# Altium PCB ISS_PCB.PcbDoc (part 1 of 4) (continued)
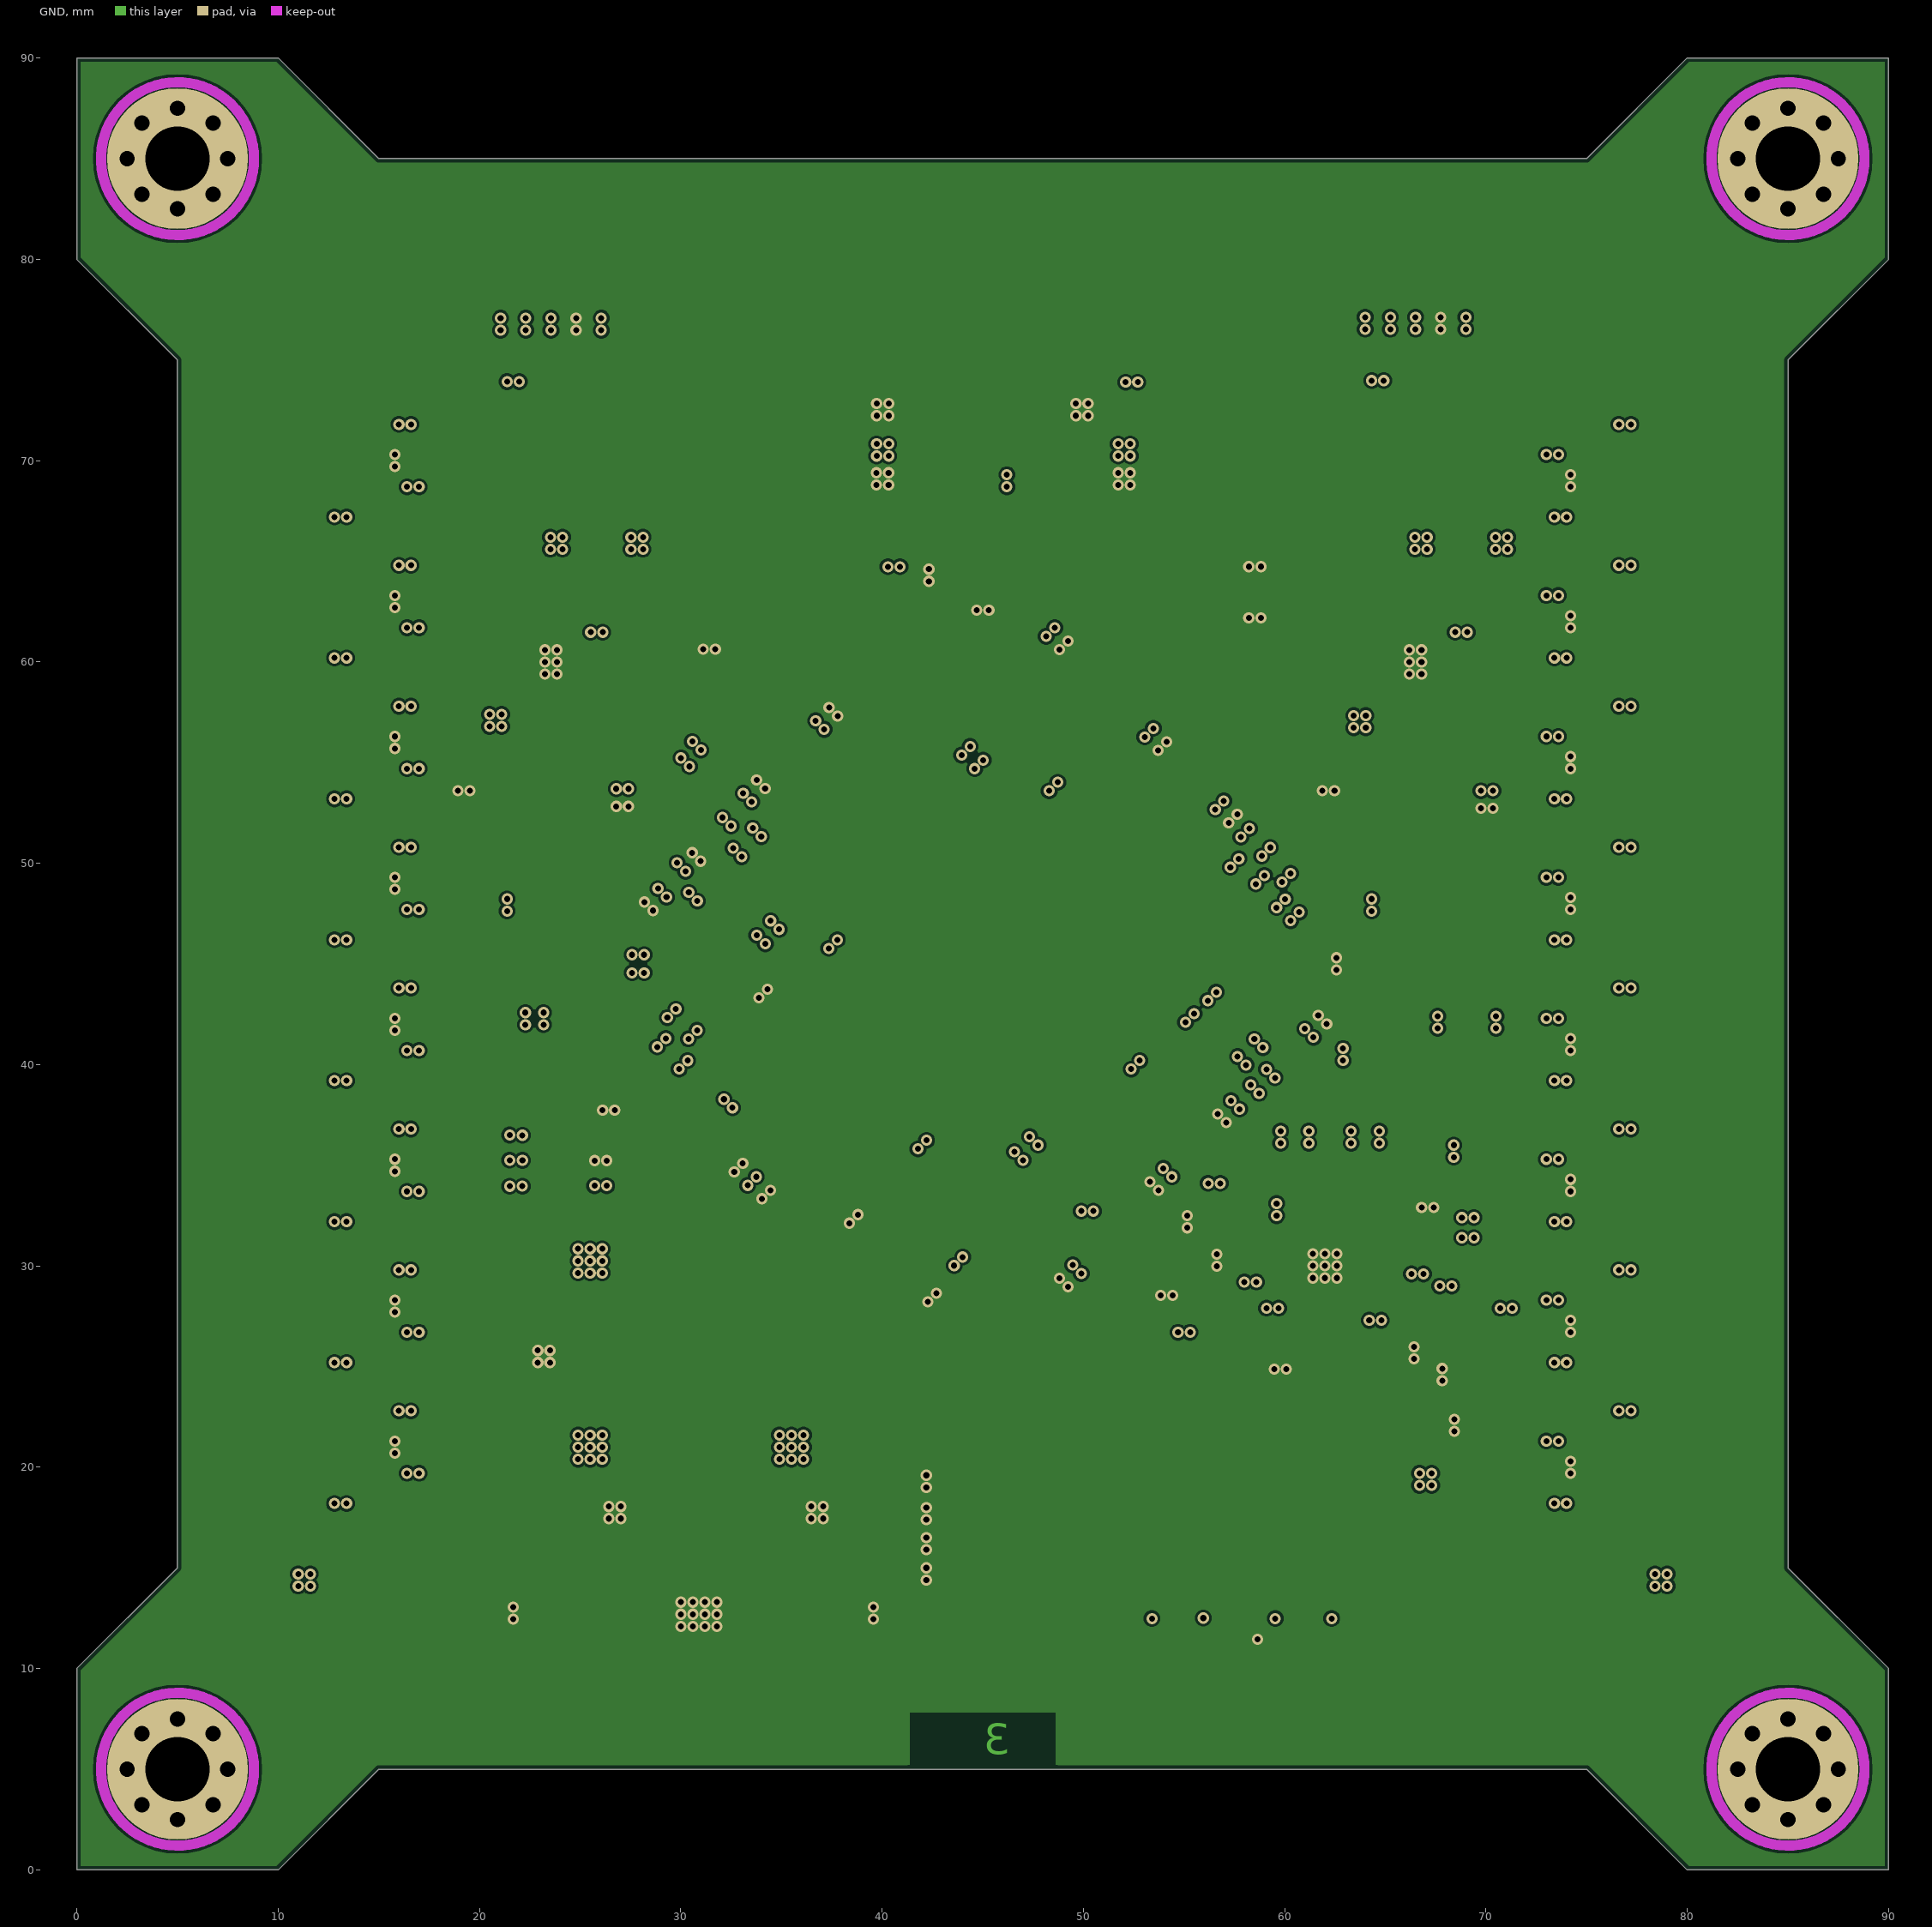
[diagram p3: GND]
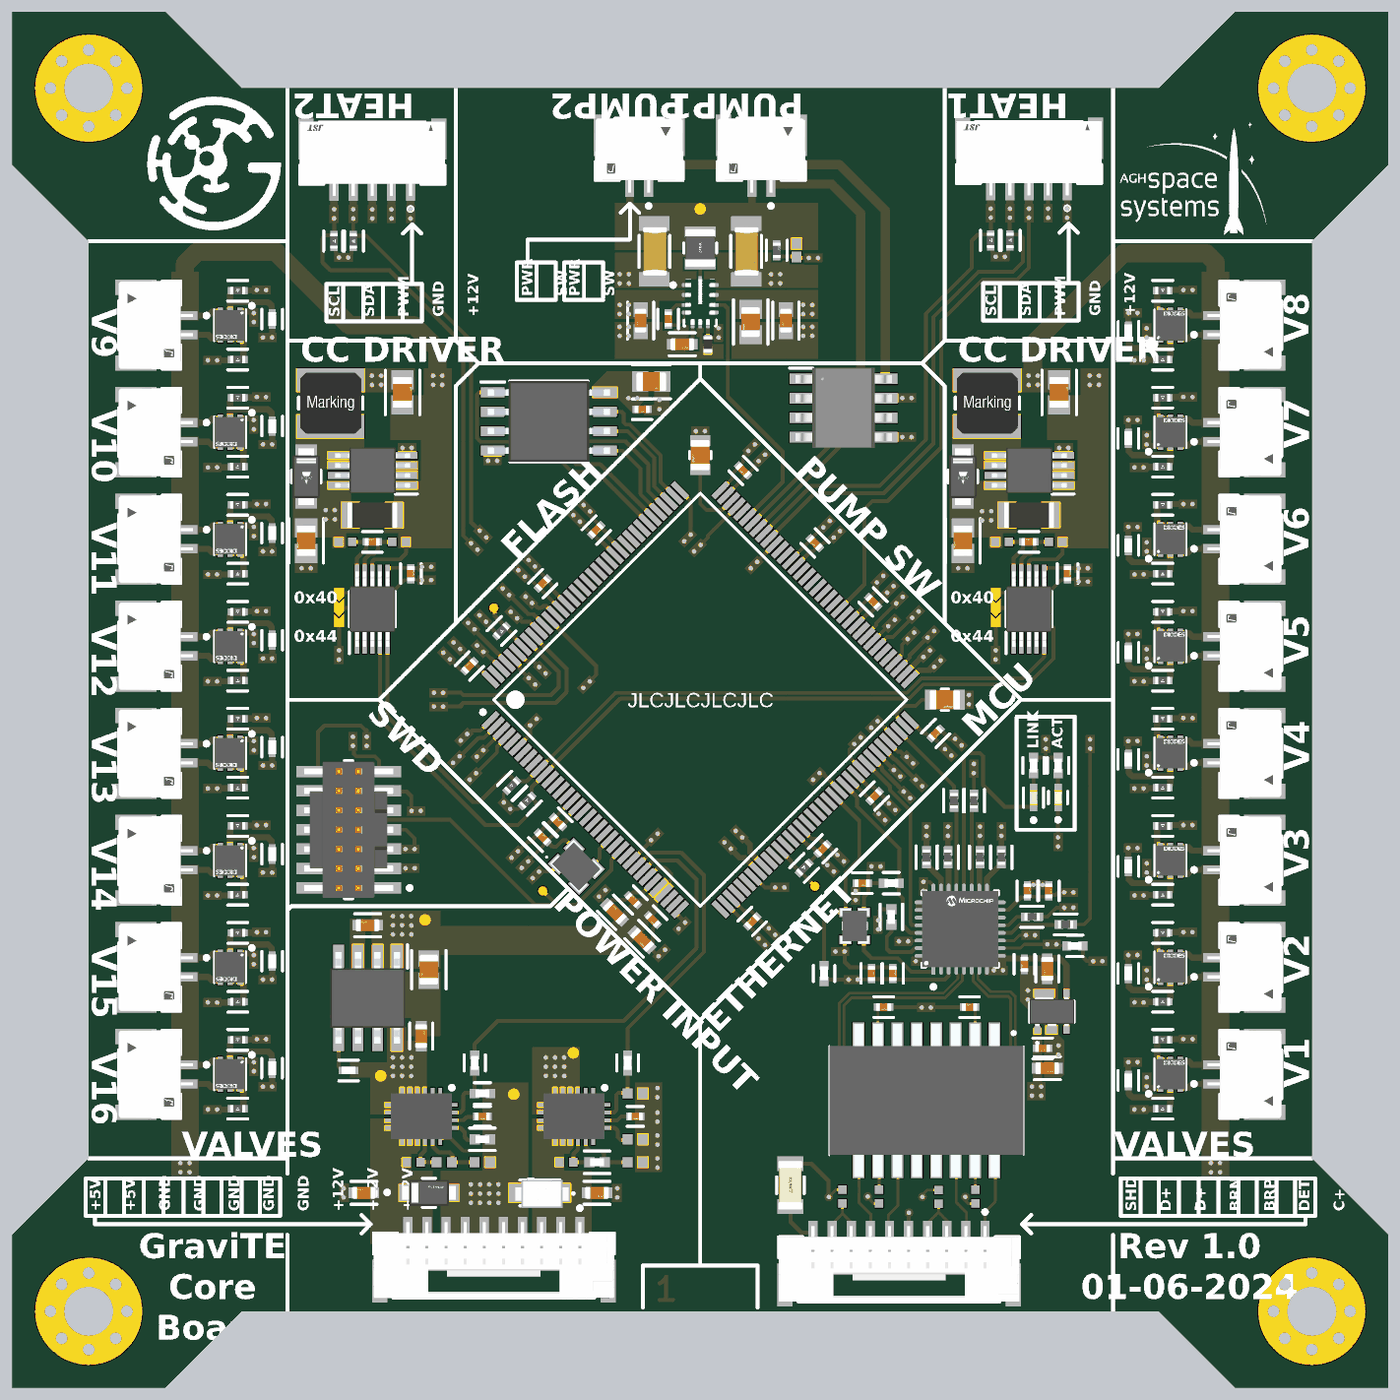
[diagram p7: 3D render of the assembled board from above, using the file's embedded part models]

## Layer stack, top to bottom
Top Solder: solder mask 0.0102, Solder Resist, Dk 3.5
Signal+Parts: signal copper 0.035
Dielectric 2: prepreg 0.2104, PP-023, Dk 4.4
Power: signal copper 0.0175
Dielectric 1: dielectric 1.065, FR-4, Dk 4.6
GND: signal copper 0.0175
Dielectric 3: prepreg 0.2104, PP-023, Dk 4.4
Signal: signal copper 0.035
Bottom Solder: solder mask 0.0102, Solder Resist, Dk 3.5

## Board outline
90,80 85,75 85,15 90,10 90,0 80,0 75,5 15,5 10,0 0,0 0,10 5,15 5,75 0,80 0,90 10,90 15,85 75,85 80,90 90,90

## Design rules (kind name [scope] priority, off if disabled: settings)
BoardOutlineClearance [All] p1: gap=0.2 ignorepadtopadclearanceinfootprint=FALSE
Clearance Clearance_1 [All] p1: gap=0.127 ignorepadtopadclearanceinfootprint=TRUE except(0.254: Arc-Hole Track-Hole SMDPad-Hole THPad-THPad THPad-Hole Via-Via Via-Hole Fill-Hole Poly-Hole Region-Hole Text-Hole)
Clearance Clearance_keepOut [OnLayer('Keep-Out Layer')] p2: gap=0.254 ignorepadtopadclearanceinfootprint=FALSE
ComponentClearance [All] p1: gap=0.102 collisioncheckmode=3 verticalgap=0.102 showdistances=TRUE donotcheckwithout3dbody=TRUE
DiffPairsRouting [InDifferentialPairClass('All Differential Pairs')] p1: maxlimit=0.127 minlimit=0.127 mostfreqgap=0.127 toplayer_minwidth=0.18 toplayer_maxwidth=0.18 toplayer_prefwidth=0.18 midlayer1_minwidth=0.105 midlayer1_maxwidth=0.105 midlayer1_prefwidth=0.105 midlayer2_minwidth=0.105 midlayer2_maxwidth=0.105 midlayer2_prefwidth=0.105 bottomlayer_minwidth=0.18 bottomlayer_maxwidth=0.18 bottomlayer_prefwidth=0.18 impedanceprofiledriven=TRUE impedanceprofileid={3A34B549-C64B-41A2-97C1-27E28E4A06F7} impedanceprofilevalue=100.000000 maxuncoupledlength=12.7
Height [All] p1: minheight=0 maxheight=1816.048 prefheight=12.7
HoleSize [All] p1: absolutevalues=TRUE maxlimit=6.3 minlimit=0.2 maxpercent=80.000 minpercent=20.000
HoleToHoleClearance [All] p1: gap=0.25 allowstackedmicrovias=FALSE
MinimumAnnularRing [All] p1: minimumring=0.074
MinimumSolderMaskSliver [All] p1: minsoldermaskwidth=0
PlaneClearance [All] p1: clearance=0.102
PlaneConnect PlaneConnectPowerPads [InPadClass('PowerPads')] p1: planeconnectstyle=Direct reliefexpansion=0.508 reliefentries=4 reliefconductorwidth=0.254 reliefairgap=0.254
PlaneConnect [All] p2 off: planeconnectstyle=Direct reliefexpansion=0.3 reliefentries=4 reliefconductorwidth=0.102 reliefairgap=0.102
PolygonConnect PolygonConnectDCDC [InNet('NetC34_DC121_2') OR InNet('NetC34_DC122_2') OR InNet('NetC47_2')] p1: connectstyle=Direct reliefconductorwidth=0.254 reliefentries=4 polygonreliefangle="90 Angle" airgapwidth=0.254
PolygonConnect PolygonConnectPowerNets [(InNetClass('PWR[0..3]') OR InNetClass('PWR_OUT[0..3]') OR InNet('NetQ2_5') OR InNet('NetQ4_5') OR InNet('PWR_EXT') OR InNet('PWR_MAIN'))] p2: connectstyle=Direct reliefconductorwidth=0.889 reliefentries=4 polygonreliefangle="90 Angle" airgapwidth=0.254
PolygonConnect PolygonConnectPowerPads [All vs InNet('NetC16_1') OR InNet('NetC17_1')] p3: connectstyle=Direct reliefconductorwidth=0.254 reliefentries=4 polygonreliefangle="90 Angle" airgapwidth=0.254
PolygonConnect [All] p4: connectstyle=Direct reliefconductorwidth=0.635 reliefentries=4 polygonreliefangle="90 Angle" airgapwidth=0.102
RoomDefinition Heater_conn2 [InComponentClass('Heater_conn2')] p1: confinementstyle=ConfineIn formatcopy=TRUE lockcomponents=FALSE outline 18.398,69 18.398,83.327 28.702,83.327 28.702,69
RoomDefinition Heater_conn1 [InComponentClass('Heater_conn1')] p2: confinementstyle=ConfineIn formatcopy=TRUE lockcomponents=FALSE outline 61.348,69.05 61.348,83.377 71.652,83.377 71.652,69.05
RoomDefinition CC_oct_driver1 [InComponentClass('CC_oct_driver1')] p3: confinementstyle=ConfineIn formatcopy=TRUE lockcomponents=FALSE outline 60.8,47.6 70,47.6 70,67.1 60.8,67.1
RoomDefinition CC_oct_driver2 [InComponentClass('CC_oct_driver2')] p4: confinementstyle=ConfineIn formatcopy=TRUE lockcomponents=FALSE outline 17.8,47.6 27,47.6 27,67.1 17.8,67.1
RoomDefinition Valve8 [InComponentClass('Valve8')] p5: confinementstyle=ConfineIn formatcopy=TRUE lockcomponents=FALSE outline 72.1,66 83.75,66 83.75,73 72.1,73
RoomDefinition Valve10 [InComponentClass('Valve10')] p6: confinementstyle=ConfineIn formatcopy=TRUE lockcomponents=FALSE outline 17.9,66 6.25,66 6.25,59 17.9,59
RoomDefinition Valve9 [InComponentClass('Valve9')] p7: confinementstyle=ConfineIn formatcopy=TRUE lockcomponents=FALSE outline 17.9,73 6.25,73 6.25,66 17.9,66
RoomDefinition Valve3 [InComponentClass('Valve3')] p8: confinementstyle=ConfineIn formatcopy=TRUE lockcomponents=FALSE outline 72.1,31 83.75,31 83.75,38 72.1,38
RoomDefinition Valve16 [InComponentClass('Valve16')] p9: confinementstyle=ConfineIn formatcopy=TRUE lockcomponents=FALSE outline 17.9,24 6.25,24 6.25,17 17.9,17
RoomDefinition Valve15 [InComponentClass('Valve15')] p10: confinementstyle=ConfineIn formatcopy=TRUE lockcomponents=FALSE outline 17.9,31 6.25,31 6.25,24 17.9,24
RoomDefinition Valve14 [InComponentClass('Valve14')] p11: confinementstyle=ConfineIn formatcopy=TRUE lockcomponents=FALSE outline 17.9,38 6.25,38 6.25,31 17.9,31
RoomDefinition Valve13 [InComponentClass('Valve13')] p12: confinementstyle=ConfineIn formatcopy=TRUE lockcomponents=FALSE outline 17.9,45 6.25,45 6.25,38 17.9,38
RoomDefinition Valve12 [InComponentClass('Valve12')] p13: confinementstyle=ConfineIn formatcopy=TRUE lockcomponents=FALSE outline 17.9,52 6.25,52 6.25,45 17.9,45
RoomDefinition Valve11 [InComponentClass('Valve11')] p14: confinementstyle=ConfineIn formatcopy=TRUE lockcomponents=FALSE outline 17.9,59 6.25,59 6.25,52 17.9,52
RoomDefinition Valve4 [InComponentClass('Valve4')] p15: confinementstyle=ConfineIn formatcopy=TRUE lockcomponents=FALSE outline 72.1,38 83.75,38 83.75,45 72.1,45
RoomDefinition Valve7 [InComponentClass('Valve7')] p16: confinementstyle=ConfineIn formatcopy=TRUE lockcomponents=FALSE outline 72.1,59 83.75,59 83.75,66 72.1,66
RoomDefinition Valve6 [InComponentClass('Valve6')] p17: confinementstyle=ConfineIn formatcopy=TRUE lockcomponents=FALSE outline 72.1,52 83.75,52 83.75,59 72.1,59
RoomDefinition Valve5 [InComponentClass('Valve5')] p18: confinementstyle=ConfineIn formatcopy=TRUE lockcomponents=FALSE outline 72.1,45 83.75,45 83.75,52 72.1,52
RoomDefinition Valve2 [InComponentClass('Valve2')] p19: confinementstyle=ConfineIn formatcopy=TRUE lockcomponents=FALSE outline 72.1,24 83.75,24 83.75,31 72.1,31
RoomDefinition Valve1 [InComponentClass('Valve1')] p20: confinementstyle=ConfineIn formatcopy=TRUE lockcomponents=FALSE outline 72.1,17 83.75,17 83.75,24 72.1,24
RoutingVias [All] p1: holewidth=0.3 width=0.45 viastyle="Through Hole" minholewidth=0.3 minwidth=0.45 maxholewidth=0.45 maxwidth=0.6
SilkToSilkClearance [All] p1: silktosilkclearance=0
SilkToSolderMaskClearance [IsPad] p1: minsilkscreentomaskgap=0.102 clearancetoexposedcopper=TRUE
SolderMaskExpansion SolderMaskExpansion_tent [IsVia] p1: expansion=0.102 istentingtop=TRUE
SolderMaskExpansion [All] p2: expansion=0.075 istentingtop=FALSE
Width Width_1 [InNetClass('RMII')] p1: maxlimit=0.369 minlimit=0.267 preferedwidth=0.369 toplayer_minwidth=0.369 midlayer1_maxwidth=0.267 midlayer1_prefwidth=0.267 midlayer2_maxwidth=0.267 midlayer2_prefwidth=0.267 bottomlayer_minwidth=0.369 impedanceprofiledriven=TRUE impedanceprofileid={99CE6C2B-3BD4-4ED7-BE54-44C1CEE1C807} impedanceprofilevalue=50.000000 minimp=50.000000 maximp=50.000000 favimp=50.000000
Width [All] p2: maxlimit=1816.048 minlimit=0.102 preferedwidth=0.203
20 further rules are at their usual default settings.

## Classes and differential pairs
channel class Heater_conn: Heater_conn1 Heater_conn2
net class HEAT_I2C_SDA[1..2]: HEAT_I2C_SDA1 HEAT_I2C_SDA2
net class HEAT_I2C_SCL[1..2]: HEAT_I2C_SCL1 HEAT_I2C_SCL2
component class Heater_conn2: J8_Heater_conn2 R44_Heater_conn2 R45_Heater_conn2
component class Heater_conn1: J8_Heater_conn1 R44_Heater_conn1 R45_Heater_conn1
component class GraviTE_TOP: MH1 MH2 MH3 MH4
channel class Valve: Valve1 Valve2 Valve3 Valve4 Valve5 Valve6 Valve7 Valve8 Valve9 Valve10 Valve11 Valve12 Valve13 Valve14 Valve15 Valve16
channel class CC_oct_driver: CC_oct_driver1 CC_oct_driver2
net class ValveGate[1..16]: ValveGate1 ValveGate2 ValveGate3 ValveGate4 ValveGate5 ValveGate6 ValveGate7 ValveGate8 ValveGate9 ValveGate10 ValveGate11 ValveGate12 ValveGate13 ValveGate14 ValveGate15 ValveGate16
net class VALVE_PWR_EN[1..2]: VALVE_PWR_EN1 VALVE_PWR_EN2
net class HEATER_PWM[1..2]: HEATER_PWM1 HEATER_PWM2
component class Valve16: J7_Valve16 R41_Valve16 R42_Valve16 R43_Valve16 U4_Valve16
component class Valve15: J7_Valve15 R41_Valve15 R42_Valve15 R43_Valve15 U4_Valve15
component class Valve14: J7_Valve14 R41_Valve14 R42_Valve14 R43_Valve14 U4_Valve14
component class Valve13: J7_Valve13 R41_Valve13 R42_Valve13 R43_Valve13 U4_Valve13
component class Valve12: J7_Valve12 R41_Valve12 R42_Valve12 R43_Valve12 U4_Valve12
component class Valve11: J7_Valve11 R41_Valve11 R42_Valve11 R43_Valve11 U4_Valve11
component class Valve10: J7_Valve10 R41_Valve10 R42_Valve10 R43_Valve10 U4_Valve10
component class Valve9: J7_Valve9 R41_Valve9 R42_Valve9 R43_Valve9 U4_Valve9
component class Valve8: J7_Valve8 R41_Valve8 R42_Valve8 R43_Valve8 U4_Valve8
component class Valve7: J7_Valve7 R41_Valve7 R42_Valve7 R43_Valve7 U4_Valve7
component class Valve6: J7_Valve6 R41_Valve6 R42_Valve6 R43_Valve6 U4_Valve6
component class Valve5: J7_Valve5 R41_Valve5 R42_Valve5 R43_Valve5 U4_Valve5
component class Valve4: J7_Valve4 R41_Valve4 R42_Valve4 R43_Valve4 U4_Valve4
component class Valve3: J7_Valve3 R41_Valve3 R42_Valve3 R43_Valve3 U4_Valve3
component class Valve2: J7_Valve2 R41_Valve2 R42_Valve2 R43_Valve2 U4_Valve2
component class Valve1: J7_Valve1 R41_Valve1 R42_Valve1 R43_Valve1 U4_Valve1
component class Designator: C7 C8 C9 C10 C11 C12 C13 C14 C15 C16 C17 C18 C19 C20 C21 C22 C23 C24 C25 C26 C27 C28 C29 C30 C31 C32 C33 C34 C35 C36 C37 C38 C39 D3 D4 IC4 IC5 J2 R14 R15 R16 R17 R18 R19 R20 R21 R22 R23 R24 R25 R26 R27 R28 R29 R30 R31 R32 R33 R34 R35 SWD1 T1 TP5 TP6 TP7 U1 U2 X1 Y1
component class CC_oct_driver2: 1_CC_oct_driver2 B2_CC_oct_driver2 C48_CC_oct_driver2 C49_CC_oct_driver2 C50_CC_oct_driver2 C51_CC_oct_driver2 D5_CC_oct_driver2 IC6_CC_oct_driver2 J5_CC_oct_driver2 J6_CC_oct_driver2 L2_CC_oct_driver2 R38_CC_oct_driver2 R39_CC_oct_driver2 R40_CC_oct_driver2
component class CC_oct_driver1: 1_CC_oct_driver1 B2_CC_oct_driver1 C48_CC_oct_driver1 C49_CC_oct_driver1 C50_CC_oct_driver1 C51_CC_oct_driver1 D5_CC_oct_driver1 IC6_CC_oct_driver1 J5_CC_oct_driver1 J6_CC_oct_driver1 L2_CC_oct_driver1 R38_CC_oct_driver1 R39_CC_oct_driver1 R40_CC_oct_driver1
differential pair TX: +TX_P -TX_N
differential pair RX: +RX_P -RX_N
differential pair B/R: +A/T_P -A/T_N
differential pair A/T: +B/R_P -B/R_N

## Components (designator, comment, footprint, x,y, rotation, side; value= is the part's Value field where it differs from the comment)
B1 "BM2LC105FJ-CE2" SOIC127P600X165-8N 54.375,64.084 r0 top
B2_CC_oct_driver1 "INA220BQDGSRQ1" SOP50P490X110-10N 66.5,50.925 r90 top (schematic designator B2)
B2_CC_oct_driver2 "INA220BQDGSRQ1" SOP50P490X110-10N 23.55,50.925 r90 top (schematic designator B2)
C1 "GCM188R71E105KA64D" FP-GCM188-0_1-MFG 38.25,12.75 r0 top
C2 "GCM155R71H332KA37J" FP-GCM155-0_05-MFG 40.75,17.75 r0 top
C3 "GCM188R71E105KA64D" FP-GCM188-0_1-MFG 23,12.75 r180 top
C4 "GCM188R71E105KA64D" FP-GCM188-0_1-MFG 23.25,30.25 r180 top
C5 "GCM188R71E105KA64D" FP-GCM188-0_1-MFG 26.75,23 r90 top
C6 "GCM155R71H332KA37J" FP-GCM155-0_05-MFG 30.75,17.75 r0 top
C7 "GCM155R71C104KA55D" FP-GCM155-0_05-IPC_C 40.6,31.9 r135 top
C8 "GCM188R71E105KA64D" FP-GCM188-0_1-MFG 39.4,31.1 r135 top
C9 "GCM188R71E105KA64D" FP-GCM188-0_1-MFG 67.7,20.9 r0 top
C10 "GCM155R71C104KA55D" FP-GCM155-0_05-IPC_C 67.4,22.2 r0 top
C11 "GCM155R71C104KA55D" FP-GCM155-0_05-IPC_C 66.2,27.7 r270 top
C12 "GCM188R71E105KA64D" FP-GCM188-0_1-MFG 67.7,27.4 r270 top
C13 "GCM21BC71E475KE36L" FP-GCM21B-0_2-e0_2_0_7-IPC_C 27.25,27.35 r270 top
C14 "GCM155R71C104KA55D" FP-GCM155-0_05-IPC_C 29.9,47.2 r225 top
C15 "GCM155R71C104KA55D" FP-GCM155-0_05-IPC_C 38.2,56.1 r45 top
C16 "GCM155R71C104KA55D" FP-GCM155-0_05-IPC_C 56.4,38.7 r225 top
C17 "GCM155R71C104KA55D" FP-GCM155-0_05-IPC_C 35.7,37 r135 top
C18 "GCM155R71C104KA55D" FP-GCM155-0_05-IPC_C 52.5,55.25 r315 top
C19 "GCM155R71C104KA55D" FP-GCM155-0_05-IPC_C 48.4,30.5 r225 top
C20 "GCM155R71C104KA55D" FP-GCM155-0_05-IPC_C 53,35.25 r225 top
C21 "GCM155R71C104KA55D" FP-GCM155-0_05-IPC_C 47.8,60 r315 top
C22 "GCM155R71C104KA55D" FP-GCM155-0_05-IPC_C 60.4,42.8 r45 top
C23 "GCM155R71C104KA55D" FP-GCM155-0_05-IPC_C 56.3,51.4 r315 top
C24 "GCM155R71C104KA55D" FP-GCM155-0_05-IPC_C 34.7,52.6 r45 top
C25 "100nF" FP-GCM155-0_05-IPC_C 41.2,64 r0 top
C26 "4.7uF" FP-GCM21B-0_2-e0_2_0_7-IPC_C 41.8,65.802 r0 top
C27 "GCM188R71E105KA64D" FP-GCM188-0_1-MFG 41.2,29.3 r315 top
C28 "GCM155R71C104KA55D" FP-GCM155-0_05-IPC_C 41.9,30.6 r315 top
C29 "GCM155R71C104KA55D" FP-GCM155-0_05-IPC_C 34.7,36 r135 top
C30 "GCM21BC7YA225KE02L" FP-GCM21B-0_15-MFG 61,45 r0 top
C31 "GCM21BC7YA225KE02L" FP-GCM21B-0_15-MFG 45,61 r270 top
C32 "GCM155R71C104KA55D" FP-GCM155-0_05-IPC_C 56.2,27.1 r90 top
C33 "GCM155R71C104KA55D" FP-GCM155-0_05-IPC_C 57.6,27.1 r90 top
C34 "GCM155R71C104KA55D" FP-GCM155-0_05-IPC_C 66.4,32.5 r90 top
C35 "GCM155R71C104KA55D" FP-GCM155-0_05-IPC_C 67.8,32.5 r90 top
C36 "GCM155R71C104KA55D" FP-GCM155-0_05-IPC_C 62.613,24.898 r180 top
C37 "GCM155R71C104KA55D" FP-GCM155-0_05-IPC_C 57,24.9 r0 top
C38 "C1206C102KGRACTU" FP-C1206C-EF-MFG 50.9,13.25 r270 top
C39 "GCM155R71C104KA55D" FP-GCM155-0_05-IPC_C 55.6,33 r0 top
C40 "GCM188R71E105KA64D" FP-GCM188-0_1-MFG 43.825,68.25 r0 top
C41 "100nF" FP-GCM155-0_05-IPC_C 42.9,69.9 r90 top
C42 "22uF" FP-CGA5L-0_3-0_1-IPC_A 42,74.325 r270 top
C43 "22uF" FP-CGA5L-0_3-0_1-IPC_A 48,74.325 r270 top
C44 "04025A200JAT2A" CAPC1005X56X25NL10T15 51.3,74.4 r90 top
C45 "4.7uF" FP-GCM21B-0_2-e0_2_0_7-IPC_B 48.3,69.7 r270 top
C46 "220nF" FP-GCM188-0_1-IPC_B 50.6,69.8 r270 top
C47 "220nF" FP-GCM188-0_1-IPC_B 41.1,69.8 r270 top
C48_CC_oct_driver1 "GCM155R71C104KA55D" FP-GCM155-0_05-IPC_C 66.5,55.325 r180 top (schematic designator C48)
C48_CC_oct_driver2 "GCM155R71C104KA55D" FP-GCM155-0_05-IPC_C 23.55,55.325 r180 top (schematic designator C48)
C49_CC_oct_driver1 "GCM155R71C104KA55D" FP-GCM155-0_05-IPC_C 69.027,53.25 r90 top (schematic designator C49)
C49_CC_oct_driver2 "GCM155R71C104KA55D" FP-GCM155-0_05-IPC_C 26.077,53.25 r90 top (schematic designator C49)
C50_CC_oct_driver1 "GRT21BC71E106KE13L" FP-GRT21B-0_2-IPC_B 68.477,65.1 r90 top (schematic designator C50)
C50_CC_oct_driver2 "GRT21BC71E106KE13L" FP-GRT21B-0_2-IPC_B 25.527,65.1 r90 top (schematic designator C50)
C51_CC_oct_driver1 "GRT21BC71E106KE13L" FP-GRT21B-0_2-IPC_B 62.177,55.4 r270 top (schematic designator C51)
C51_CC_oct_driver2 "GRT21BC71E106KE13L" FP-GRT21B-0_2-IPC_B 19.227,55.4 r270 top (schematic designator C51)
D1 "PTVS12VS1UR,115" SOD123W 34.5,12.75 r180 top
D2 "PTVS5V0S1UR,115" FP-SOD123W-MFG 27.25,12.75 r0 top
D3 "SML-LX0402SOC-TR" FP-SML-LX0402SOC-TR-MFG 68.4,38.6 r90 top
D4 "SML-LX0402SUGC-TR" FP-SML-LX0402SUGC-TR-MFG 66.8,38.6 r90 top
D5_CC_oct_driver1 "SS2FH6HM3/H" FP-S8-V-3915_01-001-MFG 62.177,59.6 r90 top (schematic designator D5)
D5_CC_oct_driver2 "SS2FH6HM3/H" FP-S8-V-3915_01-001-MFG 19.227,59.6 r90 top (schematic designator D5)
IC1 "TPS25940AQRVCRQ1" QFN50P300X400X80-21N 36.75,17.75 r270 top locked
IC2 "TPS25940AQRVCRQ1" QFN50P300X400X80-21N 26.75,17.75 r270 top locked
IC3 "BD33GC0MEFJ-ME2" SOIC127P600X100-9N 23.25,25.5 r270 top
IC4 "TLS202A1MBVHTSA1" TLS202A1MBVHTSA1 68,24.6 r0 top locked
IC5 "S25FL064LABMFM013" SOIC127P800X216-8N 35.1,63.2 r0 top
IC6_CC_oct_driver1 "AL8861QMP-13" SOP65P490X110-9N 66.521,60 r180 top (schematic designator IC6)
IC6_CC_oct_driver2 "AL8861QMP-13" SOP65P490X110-9N 23.571,60 r180 top (schematic designator IC6)
J1 "BM10B-GHS-TBT(LF)(SN)(N)" FP-BM10B-GHS-TBT_LF_SN-MFG 31.5,8 r0 top
J2 "BM10B-GHS-TBT(LF)(SN)(N)" FP-BM10B-GHS-TBT_LF_SN-MFG 58,7.75 r0 top